# Altium PCB RSD_M1_HELMET_UNIT_POWER_V2.PcbDoc (part 2 of 2)
Units mm, origin at the board's own origin, x right, y up, seen from the top; angles counter-clockwise.
Board outline 79.69 x 55.21 mm, 4 copper layers (Top Layer, GND, PWR, Bottom Layer), stack 1.643 mm thick; 112 components, 159 nets, 336 pads, 183 vias.
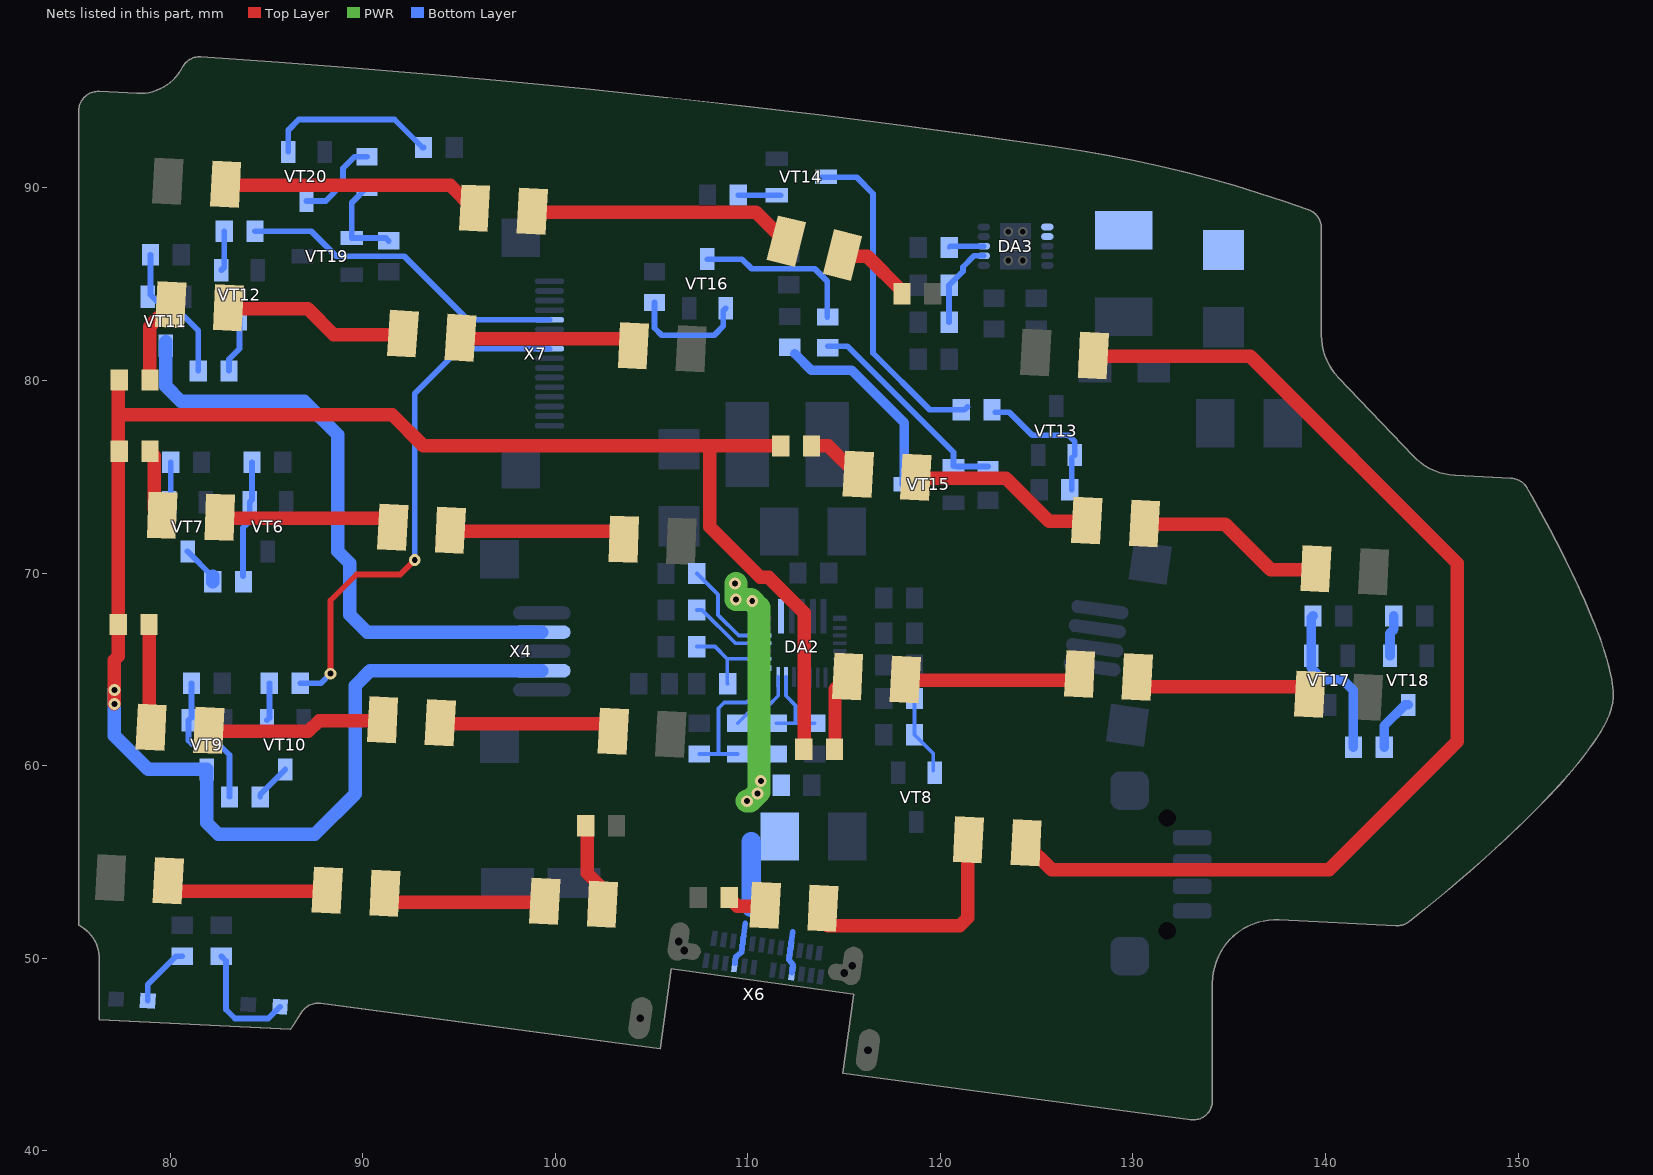
[diagram p4: the nets of this part, all layers, seen from the top]

## Via types
v1: diameter 0.61, hole 0.305, Top Layer to Bottom Layer, tented both sides, 177 vias
v2: diameter 0.61, hole 0.305, Top Layer to Bottom Layer, tented top, 6 vias

## Nets (pads, with @x,y where several pads share a name; then routed paths per layer and width w, separated by ;. In a path a pad name is that pad's centre, name@x,y a point inside that pad or via, vN(x,y) a via of type N, cw(c..) or ccw(c..) an arc to the next point about the centre after c; other vN are vias at no path point) (continued)
NetDA2_18: DA2.18 R16.2 R19.2 | length 4.6
  Bottom Layer w0.2: R16.2@111.475,62.2 112.475,62.2 ; DA2.18@111.975,64.6 111.975,63.625 112.475,63.125 112.475,62.2 ; R19.2@113.475,62.2 112.475,62.2
NetDA2_19: DA2.19 R22.2 | length 3.7
  Bottom Layer w0.2: R22.2@109.475,62.2 110.425,63.15 111.1,63.15 111.575,63.625 DA2.19@111.575,64.6
NetDA2_20: DA2.20 R22.1 R32.2 | length 8.1
  Bottom Layer w0.2: R32.2@107.475,60.6 108.475,60.6 ; R22.1@109.475,60.6 108.475,60.6 ; DA2.20@110.875,65.05 110.875,64.225 109.925,63.275 108.775,63.275 108.475,62.975 108.475,60.6
NetDA2_21: DA2.21 R25.2 R31.2 | length 5.1
  Bottom Layer w0.2: R31.2@107.35,66.175 108.3,66.175 108.925,65.55 ; R25.2@108.95,64.25 108.925,64.275 108.925,65.55 ; DA2.21@110.875,65.55 108.925,65.55
NetDA2_23: DA2.23 R20.2 | length 4.2
  Bottom Layer w0.2: R20.2@107.35,68.075 107.625,68.075 109.35,66.35 DA2.23@110.875,66.35
NetDA2_24: DA2.24 R21.1 | length 5.5
  Bottom Layer w0.2: R21.1@107.35,69.975 108.45,68.875 108.45,67.825 109.525,66.75 DA2.24@110.875,66.75
NetDA3_2: DA3.2 R43.2 R48.1 | length 4.5
  Bottom Layer w0.3: R43.2@120.45,83.025 R48.1@120.45,84.95 121.175,85.675 121.175,85.9 121.75,86.475 DA3.2@122.25,86.475
NetDA3_3: DA3.3 R42.2 | length 1.8
  Bottom Layer w0.2: R42.2@120.45,86.9 R42.2@120.525,86.975
  Bottom Layer w0.3: R42.2@120.525,86.975 DA3.3@122.25,86.975
NetDA3_6: DA3.6 DA3.7 L3.2 VD9.2
NetDD1_7: 
NetDD1_44: 
NetR6_1: 
NetR6_2: 
NetR9_1: 
NetR13_1: R13.1 VT7.3 | length 2.1
  Bottom Layer w0.3: VT7.3@80.9,71.125 R13.1@82.2,69.825
  Bottom Layer w0.7: R13.1@82.2,69.55 R13.1@82.2,69.825
NetR13_2: R13.2 R14.1 VT6.1 | length 6.1
  Bottom Layer w0.3: R13.2@83.775,69.85 83.775,72.35 84.125,72.7 VT6.1@84.125,73.675 84.25,73.8 R14.1@84.25,75.75
NetR15_1: R15.1 VT7.1 | length 2.1
  Bottom Layer w0.3: VT7.1@80.025,73.75 R15.1@80.025,75.75
  Bottom Layer w0.5: VT7.1@79.95,73.675 VT7.1@80.025,73.75
NetR17_1: R17.1 R18.2 VT8.2 | length 4.1
  Bottom Layer w0.2: R17.1@118.65,63.475 R18.2@118.65,61.6 119.625,60.625 VT8.2@119.625,59.75
NetR23_1: R23.1 VT10.3 | length 2
  Bottom Layer w0.3: R23.1@84.675,58.375 84.675,58.5 VT10.3@85.975,59.8
NetR23_2: R23.2 R24.1 VT9.1 | length 7.6
  Bottom Layer w0.3: R24.1@81.1,64.275 81.1,62.5 VT9.1@80.95,62.35 80.95,61.3 81.125,61.125 82.5,61.125 83.075,60.55 R23.2@83.075,58.375
NetR26_1: 
NetR27_1: 
NetR28_1: R28.1 VD7.2 | length 3.2
  Bottom Layer w0.3: VD7.2@78.835,47.784 78.835,48.635 80.3,50.1 R28.1@80.625,50.1
NetR29_1: R29.1 VD8.2 | length 6.1
  Bottom Layer w0.3: R29.1@82.65,50.1 82.901,49.849 82.901,47.324 83.363,46.862 85.087,46.862 VD8.2@85.7,47.475
NetR30_1: R30.1 VT10.1 | length 2
  Bottom Layer w0.3: VT10.1@85.025,62.35 85.15,62.475 R30.1@85.15,64.275
NetR33_1: R33.1 VT12.3 | length 2.9
  Bottom Layer w0.3: R33.1@83.05,80.5 83.05,81.1 83.6,81.65 VT12.3@83.6,83.175
NetR33_2: R33.2 R34.1 VT11.1 | length 7.4
  Bottom Layer w0.3: R34.1@78.975,86.525 78.975,84.45 80.125,83.3 80.75,83.3 81.45,82.6 R33.2@81.45,80.5
NetR35_1: R35.1 VT12.1 | length 2.1
  Bottom Layer w0.3: VT12.1@82.65,85.725 82.8,85.875 R35.1@82.8,87.75
NetR36_1: R36.1 VT14.3 | length 17.5
  Bottom Layer w0.3: VT14.3@113.85,90.55 115.65,90.55 116.5,89.7 116.5,81.425 119.45,78.475 R36.1@121.075,78.475 121.25,78.475 R36.1@121.4,78.625
NetR36_2: R36.2 R37.1 VT13.1 | length 7.3
  Bottom Layer w0.2: VT13.1@126.825,75.975 VT13.1@126.975,76.125
  Bottom Layer w0.3: R36.2@122.85,78.35 123.575,78.35 124.775,77.15 126.65,77.15 126.975,76.825 VT13.1@126.975,76.125 ; R37.1@126.825,74.325 VT13.1@126.825,75.975
NetR38_1: R38.1 R39.2 VT15.1 | length 11.2
  Bottom Layer w0.3: R39.2@114.15,81.775 115.175,81.775 120.675,76.275 VT15.1@120.675,75.55 ; VT15.1@120.85,75.525 R38.1@122.475,75.525
NetR39_1: R39.1 VT16.3 | length 8.6
  Bottom Layer w0.3: VT16.3@107.9,86.3 109.7,86.3 110.2,85.8 113.475,85.8 114.125,85.15 R39.1@114.125,83.3
NetR40_1: R40.1 VT14.1 | length 2.2
  Bottom Layer w0.3: R40.1@109.5,89.625 VT14.1@111.7,89.625
NetR41_1: R41.1 VT16.1 | length 6.2
  Bottom Layer w0.3: R41.1@105.15,84.05 105.15,82.725 105.525,82.35 108.25,82.35 108.725,82.825 108.725,83.625 VT16.1@108.85,83.75
NetR44_1: R44.1 VT18.3 | length 2.8
  Bottom Layer w0.5: R44.1@143.05,60.95 143.05,62.075 144.125,63.15 VT18.3@144.3,63.15
NetR44_2: R44.2 R45.1 VT17.1 | length 8.4
  Bottom Layer w0.5: R45.1@139.35,67.775 139.25,67.675 VT17.1@139.25,65.7 139.25,65.075 139.875,64.45 140.9,64.45 141.45,63.9 R44.2@141.45,60.95
NetR46_2: R46.2 VT15.3 | length 10.4
  Bottom Layer w0.5: R46.2@112.437,81.387 113.3,80.525 115.4,80.525 118.125,77.8 VT15.3@118.125,74.6
NetR47_1: R47.1 VT18.1 | length 2.2
  Bottom Layer w0.5: VT18.1@143.35,65.7 143.35,66.875 143.55,67.075 R47.1@143.55,67.775
NetR51_1: 
NetR52_1: 
NetR53_1: 
NetR54_1: 
NetR55_1: 
NetR56_1: 
NetR57_1: 
NetR58_1: 
NetR59_1: R59.1 VD34.2 | length 4.3
  Top Layer w0.7: R59.1@101.65,56.775 101.65,54.4 102.423,53.627 VD34.2@102.423,52.746
NetR60_1: R60.1 VD37.2 | length 2.1
  Top Layer w0.7: R60.1@109,53.15 109.446,52.704 VD37.2@110.877,52.704
NetR61_1: R61.1 VD40.2 | length 3.9
  Top Layer w0.7: VD40.2@114.88,86.462 116.188,86.462 R61.1@118.05,84.6
NetR62_1: R62.1 VD43.2 | length 4
  Top Layer w0.7: R62.1@114.525,60.875 114.525,63.951 VD43.2@115.152,64.579
NetR63_1: R63.1 VD46.2 | length 3
  Top Layer w0.7: R63.1@113.35,76.6 114.181,76.6 VD46.2@115.702,75.079
NetR64_1: R64.1 VD49.2 | length 5.6
  Top Layer w0.7: R64.1@78.9,67.475 R64.1@78.9,67.325 78.9,62.011 VD49.2@78.979,61.932
NetR65_1: R65.1 VD52.2 | length 3.7
  Top Layer w0.7: R65.1@78.925,76.35 79.175,76.1 79.175,73.328 VD52.2@79.551,72.952
NetR66_1: R66.1 VD55.2 | length 4.3
  Top Layer w0.7: R66.1@78.925,80.025 78.925,82.802 VD55.2@80.002,83.879
NetR67_1: R67.1 VT20.3 | length 4.6
  Bottom Layer w0.3: VT20.3@87.075,89.325 88.075,89.325 88.975,90.225 88.975,91.025 89.575,91.625 R67.1@90.225,91.625
NetR67_2: R67.2 R68.1 VT19.1 | length 4.9
  Bottom Layer w0.3: R67.2@90.225,90.025 89.425,89.225 VT19.1@89.425,87.4 91.2,87.4 R68.1@91.35,87.25
NetR69_1: R69.1 VT20.1 | length 9
  Bottom Layer w0.3: VT20.1@86.125,91.875 86.125,93 86.675,93.55 91.65,93.55 93.1,92.1 R69.1@93.15,92.1
NetVD10_1: 
NetVD11_1: 
NetVD13_1: 
NetVD14_1: 
NetVD16_1: 
NetVD17_1: 
NetVD19_1: 
NetVD20_1: 
NetVD22_1: 
NetVD23_1: 
NetVD25_1: 
NetVD26_1: 
NetVD28_1: 
NetVD29_1: 
NetVD31_1: 
NetVD32_1: 
NetVD34_1: VD34.1 VD35.2 | length 8.5
  Top Layer w0.7: VD35.2@91.123,53.321 91.541,52.904 VD34.1@99.427,52.904
NetVD35_1: VD35.1 VD36.2 | length 8.5
  Top Layer w0.7: VD36.2@79.871,53.968 80.36,53.479 VD35.1@88.127,53.479
NetVD37_1: VD37.1 VD38.2 | length 12.4
  Top Layer w0.7: VD37.1@113.873,52.546 113.873,51.952 114.15,51.675 121,51.675 121.427,52.102 VD38.2@121.427,56.104
NetVD38_1: VD38.1 VD39.2 | length 58.4
  Top Layer w0.7: VD38.1@124.423,55.946 125.769,54.6 140.2,54.6 146.85,61.25 146.85,70.5 136.103,81.247 VD39.2@127.923,81.247
NetVD40_1: VD40.1 VD41.2 | length 13.8
  Top Layer w0.7: VD41.2@98.773,88.746 110.411,88.746 VD40.1@111.97,87.188
NetVD41_1: VD41.1 VD42.2 | length 13.4
  Top Layer w0.7: VD42.2@82.846,90.143 94.538,90.143 VD41.1@95.777,88.904
NetVD43_1: VD43.1 VD44.2 | length 9.2
  Top Layer w0.7: VD43.1@118.148,64.421 126.92,64.421 VD44.2@127.202,64.704
NetVD44_1: VD44.1 VD45.2 | length 9.3
  Top Layer w0.7: VD44.1@130.198,64.546 130.644,64.1 138.706,64.1 VD45.2@139.152,63.654
NetVD46_1: VD46.1 VD47.2 | length 9.8
  Top Layer w0.7: VD46.1@118.698,74.921 123.404,74.921 125.646,72.679 VD47.2@127.577,72.679
NetVD47_1: VD47.1 VD48.2 | length 9.9
  Top Layer w0.7: VD47.1@130.573,72.521 134.804,72.521 137.146,70.179 VD48.2@139.477,70.179
NetVD49_1: VD49.1 VD50.2 | length 9.3
  Top Layer w0.7: VD49.1@81.975,61.775 87.175,61.775 87.732,62.332 VD50.2@91.004,62.332
NetVD50_1: VD50.1 VD51.2 | length 9.2
  Top Layer w0.7: VD50.1@94,62.175 102.531,62.175 VD51.2@102.977,61.729
NetVD52_1: VD52.1 VD53.2 | length 9.2
  Top Layer w0.7: VD52.1@82.549,72.848 91.013,72.848 VD53.2@91.529,72.332
NetVD53_1: VD53.1 VD54.2 | length 9.2
  Top Layer w0.7: VD53.1@94.525,72.175 103.053,72.175 VD54.2@103.526,71.702
NetVD55_1: VD55.1 VD56.2 | length 9.6
  Top Layer w0.7: VD55.1@82.998,83.721 87.154,83.721 88.495,82.38 VD56.2@92.054,82.38
NetVD56_1: VD56.1 VD57.2 | length 9.2
  Top Layer w0.7: VD56.1@95.046,82.17 103.616,82.17 VD57.2@104.029,81.757
ON_BTN: 
ON_BTN_PIN: 
PHOTODIOD: 
RGB_LED_BLUE: 
RGB_LED_GREEN: 
RGB_LED_RED: 
RIGHT: 
RIGHT: VT11.3 X4.4 | length 32.2
  Bottom Layer w0.7: VT11.3@79.775,82 VT11.3@79.775,81.8 79.775,79.7 80.55,78.925 86.95,78.925 88.7,77.175 88.7,71.125 89.325,70.5 89.325,67.825 90.225,66.925 X4.4@99.3,66.925
RIGHT-MCU: 
RIGHT_MCU: R35.2 X7.12 | length 17.2
  Bottom Layer w0.3: R35.2@84.4,87.75 87.325,87.75 88.625,86.45 92.15,86.45 95.45,83.15 X7.12@99.7,83.15
SCK: 
STOP: R62.2 R63.2 R64.2 R65.2 R66.2 VT9.3 X4.2 | length 105.2
  Top Layer w0.3: R63.2@111.675,76.6 R63.2@111.725,76.55
  Top Layer w0.7: v1(77.1,63.2) v1(77.1,63.925) 77.1,65.475 77.3,65.675 R64.2@77.3,67.325 77.3,78.225 ; R66.2@77.325,80.025 77.3,80 77.3,78.225 ; R63.2@111.675,76.6 108.025,76.6 ; R62.2@112.925,60.875 112.925,67.925 111.075,69.775 110.65,69.775 108.025,72.4 108.025,76.6 ; 77.3,78.225 91.525,78.225 93.15,76.6 108.025,76.6
  Bottom Layer w0.7: v1(77.1,63.925) v1(77.1,63.2) 77.1,61.55 78.85,59.8 VT9.3@81.9,59.8 81.9,57.025 82.5,56.425 87.5,56.425 89.6,58.525 89.6,64.15 90.375,64.925 X4.2@99.3,64.925
STOP-MCU: 
STOP_MCU: R30.2 X7.9 | length 27.4
  Top Layer w0.3: v1(88.325,64.775) 88.325,68.575 89.675,69.925 91.95,69.925 v1(92.7,70.675)
  Bottom Layer w0.3: R30.2@86.75,64.275 87.825,64.275 v1(88.325,64.775) ; v1(92.7,70.675) 92.7,79.325 95.025,81.65 X7.9@99.7,81.65
SWCLK: 
SWDIO: 
USB_POWER: C16.1 C17.2 DA2.1 R16.1 X6.A4 X6.A9 X6.B4 X6.B9 | length 20.5
  PWR w1.2: v1@109.375,69.45 v1(109.375,68.625) 110.15,68.625 v1(110.225,68.55) 110.575,68.2 110.575,58.625 v1(110.5,58.55) 110.1,58.15 v1(109.95,58.15)
  Bottom Layer w0.2: X6.A4@112.15,50.404 X6.A4@112.207,50.461
  Bottom Layer w0.3: X6.B4@109.325,49.75 109.368,50.073 109.663,50.299 X6.A9@109.732,50.809 109.863,51.798 ; X6.B9@112.288,49.238 112.343,49.648 112.135,49.92 X6.A4@112.207,50.461 112.329,51.371
  Bottom Layer w1: 110.175,52.625 110.175,56.05
  other v1: 110.675,59.2 109.325,69.45
pads on no net: DA2.7 DA2.25 DA2.26 DA3.0 DA3.11 X6.A2 X6.A3 X6.A5 X6.A6 X6.A7 X6.A8 X6.A10 X6.A11 X6.B2 X6.B3 X6.B5 X6.B6 X6.B7 X6.B8 X6.B10 X6.B11 X10.2 X10.5

## Polygon pours and split planes (outlines as drawn)
GND on Bottom Layer "Top Layer, Top-No Net" (solid, pour order 21): 86.232,46.287 86.821,47.196 cw(c87.66,46.652) 87.793,47.643 105.412,45.287 105.823,48.292 cw(c106.814,48.156) 106.949,49.147 114.38,48.131 cw(c114.244,47.14) 115.235,47.005 114.828,44.028 132.984,41.6 ccw(c133.116,42.591) 134.116,42.591 134.116,48.689 cw(c137.416,48.689) 137.587,51.985 143.645,51.672 ccw(c143.696,52.67) 144.317,51.886 144.866,52.321 145.441,52.78 146.009,53.244 146.571,53.713 147.129,54.189 147.684,54.672 148.264,55.188 148.841,55.712 149.412,56.244 149.705,56.52 149.995,56.799 150.266,57.061 150.535,57.326 150.992,57.783 151.44,58.244 151.662,58.477 151.881,58.712 152.095,58.944 152.306,59.178 152.633,59.55 152.793,59.736 152.95,59.923 153.104,60.111 153.255,60.299 153.402,60.486 153.544,60.673 153.766,60.975 153.872,61.126 153.974,61.275 154.07,61.42 154.161,61.563 154.299,61.788 154.423,62.007 154.534,62.217 154.63,62.418 154.712,62.609 154.775,62.774 154.825,62.931 154.864,63.082 154.894,63.229 154.909,63.337 154.92,63.447 154.926,63.56 154.928,63.677 154.923,63.859 154.907,64.053 154.882,64.262 154.85,64.472 154.808,64.692 154.758,64.923 154.699,65.162 154.654,65.331 154.606,65.502 154.552,65.687 154.494,65.874 154.372,66.243 154.246,66.6 154.112,66.96 153.97,67.324 153.822,67.689 153.639,68.124 153.448,68.562 153.251,69 153.108,69.313 152.961,69.626 152.796,69.972 152.628,70.319 152.302,70.977 151.968,71.633 151.627,72.284 151.322,72.855 151.011,73.422 150.695,73.986 150.452,74.414 ccw(c149.584,73.916) 149.636,74.915 146.712,75.066 cw(c146.877,78.262) 144.561,76.054 140.652,80.156 cw(c142.968,82.363) 139.768,82.363 139.768,87.92 ccw(c138.768,87.92) 139.106,88.861 ccw(c116.25,25.258) 125.958,92.142 125.958,92.141 ccw(c44.044,-473.983) 81.575,96.804 ccw(c81.509,95.806) 80.619,96.261 cw(c78.393,97.399) 78.263,94.903 76.288,95.005 ccw(c76.237,94.006) 75.237,94.006 75.237,51.704 cw(c74.311,49.931) 76.311,49.931 76.311,46.8
GND on Bottom Layer "Top Layer, Top-No Net" (solid, pour order 25): 113.775,71.1 114.05,71.375 114.05,72.7 115.775,72.7 115.875,72.6 115.875,71.4 114.975,70.5 114.675,70.2 114.675,69.2 114,68.525 113.775,68.525
NetC13_2 on Bottom Layer "Top Layer, Top-No Net" (solid, pour order 27): 113.525,71.3 113.75,71.525 113.75,73.4 114.825,74.475 115.25,74.475 115.25,78.875 113,78.875 113,74.475 113,71.525 113.225,71.3 113.225,68.525 113.525,68.525
BAT on Bottom Layer "Top Layer, Top-No Net" (solid, pour order 29): 112.975,68.45 112.975,69.375 113.05,69.45 113.05,71 112.7,71.35 112.7,73.3 112.375,73.625 110.625,73.625 110,73 110,71.125 110.625,70.5 111.825,70.5 112.15,70.175 112.15,69.45 112.675,68.925 112.675,68.45
NetDA2_2 on Bottom Layer "Top Layer, Top-No Net" (solid, pour order 31): 112.425,68.568 112.425,68.875 111.85,69.45 111,70.3 110.55,70.3 109.75,71.1 109.75,73.825 110.425,74.5 110.425,78.3 109.15,78.3 108.875,78.025 108.875,70.975 110.8,69.05 111.675,69.05 112.157,68.568
USB_POWER on Bottom Layer "Top Layer, Top-No Net" (solid, pour order 33): 111.875,68.65 111.875,68.1 109.3,68.1 108.75,68.65 108.75,69.625 109.05,69.925 109.575,69.925 110.75,68.75 111.7,68.75
USB_POWER on Bottom Layer "Top Layer, Top-No Net" (solid, pour order 35): 110.1,68.15 110.25,68 110.275,68.025 110.275,68.175
USB_POWER on Bottom Layer "Top Layer, Top-No Net" (solid, pour order 37): 112.025,61.05 112.025,59.875 112.175,59.725 112.175,57.425 111.55,56.8 111.55,55.1 109.55,55.1 109.55,58.398 110.925,60.053 110.925,61.05
USB_POWER on Bottom Layer "Top Layer, Top-No Net" (solid, pour order 39): 112.428,51.02 112.494,51.481 111.8,52.175 111.5,52.175 111.175,52.5 110.425,53.25 109.725,52.55 109.725,51.575 109.95,51.35 110.3,51.7 111.525,51.7 112.16,51.065
GND on Bottom Layer "Top Layer, Top-No Net" (solid, pour order 41): 114.125,66.5 111.5,66.5 111.5,65.375 114.125,65.375
NetC23_1 on Bottom Layer "Top Layer, Top-No Net" (solid, pour order 47): 128.875,80.45 128.875,81.3 129.875,82.3 131.025,82.3 131.025,85.875 130.725,86.175 127.45,86.175 126.475,87.15 125.2,87.15 125.125,87.075 125.125,86.4 125.225,86.3 126.15,86.3 127.175,85.275 127.175,80.45
NetDA3_6 on Bottom Layer "Top Layer, Top-No Net" (solid, pour order 51): 136.65,84.795 136.28,84.425 133.75,84.425 133.1,83.775 133.1,83.025 132.95,82.875 131.725,82.875 131.5,83.1 131.5,86.325 131.125,86.7 127.425,86.7 126.825,87.3 125.2,87.3 125.125,87.375 125.125,88.1 125.125,88.6 125,88.725 122,88.725 121.5,89.225 121.5,90.675 122.225,91.4 125.575,91.05 127.913,90.713 135.725,88.4 136.65,87.343
BAT on PWR "Top Layer, Top-No Net" (solid, pour order 57): 111.825,70.7 112.25,71.125 112.25,72.9 111.926,73.224 110.599,73.224 110.2,72.825 110.2,70.95 110.45,70.7
12V on PWR "Top Layer, Top-No Net" (solid, pour order 59): 86.246,46.294 86.835,47.202 cw(c87.674,46.658) 87.807,47.65 105.426,45.293 105.837,48.298 cw(c106.828,48.162) 106.963,49.153 114.394,48.137 cw(c114.259,47.146) 115.25,47.011 114.843,44.034 132.998,41.606 ccw(c133.131,42.597) 134.131,42.597 134.131,48.696 cw(c137.431,48.696) 137.601,51.991 143.659,51.678 ccw(c143.711,52.676) 144.331,51.892 144.881,52.327 145.455,52.786 146.023,53.25 146.586,53.72 147.144,54.196 147.698,54.678 148.279,55.195 148.855,55.718 149.427,56.25 149.719,56.526 150.01,56.805 150.281,57.068 150.549,57.332 151.006,57.789 151.454,58.25 151.676,58.484 151.896,58.718 152.109,58.95 152.32,59.184 152.647,59.556 152.807,59.742 152.964,59.93 153.118,60.117 153.269,60.305 153.416,60.492 153.559,60.679 153.78,60.982 153.886,61.132 153.988,61.281 154.084,61.426 154.176,61.569 154.313,61.794 154.438,62.013 154.548,62.223 154.645,62.424 154.727,62.615 154.789,62.78 154.839,62.937 154.879,63.088 154.908,63.235 154.924,63.343 154.934,63.453 154.941,63.566 154.942,63.684 154.937,63.865 154.922,64.06 154.897,64.268 154.864,64.478 154.822,64.699 154.772,64.929 154.713,65.168 154.669,65.337 154.621,65.508 154.566,65.693 154.508,65.88 154.386,66.249 154.26,66.606 154.126,66.966 153.984,67.33 153.836,67.696 153.653,68.131 153.463,68.568 153.266,69.006 153.122,69.319 152.976,69.632 152.81,69.979 152.642,70.325 152.316,70.984 151.982,71.639 151.642,72.29 151.336,72.861 151.025,73.429 150.71,73.993 150.466,74.421 ccw(c149.599,73.923) 149.65,74.921 146.726,75.072 cw(c146.891,78.268) 144.575,76.06 140.666,80.162 cw(c142.982,82.37) 139.782,82.37 139.782,87.926 ccw(c138.782,87.926) 139.12,88.868 139.12,88.867 ccw(c116.264,25.265) 125.973,92.148 125.973,92.147 ccw(c44.058,-473.977) 81.589,96.81 ccw(c81.523,95.812) 80.633,96.268 cw(c78.407,97.405) 78.278,94.909 76.303,95.011 ccw(c76.251,94.012) 75.251,94.012 75.251,51.71 cw(c74.325,49.937) 76.325,49.937 76.325,46.807
GND on GND "Top Layer, Top-No Net" (solid, pour order 61): 86.243,46.283 86.833,47.191 cw(c87.672,46.647) 87.804,47.639 105.423,45.282 105.834,48.287 cw(c106.825,48.151) 106.96,49.142 114.391,48.126 cw(c114.256,47.135) 115.247,47 114.84,44.023 132.995,41.595 ccw(c133.128,42.586) 134.128,42.586 134.128,48.685 cw(c137.428,48.685) 137.598,51.98 143.656,51.667 ccw(c143.708,52.665) 144.328,51.881 144.878,52.316 145.453,52.775 146.02,53.239 146.583,53.709 147.141,54.185 147.696,54.667 148.276,55.184 148.852,55.707 149.424,56.239 149.716,56.515 150.007,56.794 150.278,57.057 150.547,57.321 151.003,57.778 151.452,58.239 151.673,58.473 151.893,58.707 152.107,58.939 152.317,59.173 152.644,59.545 152.804,59.731 152.961,59.919 153.115,60.106 153.266,60.294 153.413,60.481 153.556,60.668 153.777,60.971 153.883,61.121 153.985,61.27 154.081,61.415 154.173,61.558 154.31,61.783 154.435,62.002 154.545,62.212 154.642,62.413 154.724,62.604 154.786,62.769 154.836,62.926 154.876,63.077 154.905,63.224 154.921,63.332 154.932,63.442 154.938,63.555 154.939,63.673 154.934,63.854 154.919,64.049 154.894,64.257 154.861,64.467 154.819,64.688 154.769,64.918 154.711,65.157 154.666,65.326 154.618,65.497 154.563,65.682 154.505,65.869 154.383,66.238 154.257,66.595 154.123,66.955 153.982,67.319 153.833,67.685 153.65,68.12 153.46,68.557 153.263,68.995 153.119,69.308 152.973,69.621 152.807,69.968 152.639,70.314 152.313,70.973 151.979,71.628 151.639,72.279 151.333,72.85 151.022,73.418 150.707,73.982 150.463,74.41 ccw(c149.596,73.912) 149.648,74.91 146.723,75.061 cw(c146.889,78.257) 144.572,76.049 140.663,80.151 cw(c142.979,82.359) 139.779,82.359 139.779,87.915 ccw(c138.779,87.915) 139.117,88.857 139.117,88.856 ccw(c116.261,25.254) 125.97,92.137 125.97,92.136 ccw(c44.055,-473.988) 81.586,96.8 81.586,96.799 ccw(c81.52,95.801) 80.63,96.257 cw(c78.404,97.394) 78.275,94.898 76.3,95 ccw(c76.248,94.001) 75.248,94.001 75.248,51.699 cw(c74.322,49.926) 76.322,49.926 76.322,46.796
GND on Top Layer "Top Layer, Top-No Net" (solid, pour order 53): 86.244,46.286 86.833,47.195 cw(c87.672,46.651) 87.805,47.642 105.424,45.286 105.835,48.29 cw(c106.825,48.155) 106.961,49.146 114.392,48.13 cw(c114.256,47.139) 115.247,47.004 114.84,44.027 132.996,41.599 ccw(c133.128,42.59) 134.128,42.59 134.128,48.688 cw(c137.428,48.688) 137.599,51.984 143.657,51.67 ccw(c143.708,52.669) 144.328,51.885 144.878,52.32 145.453,52.779 146.021,53.243 146.583,53.712 147.141,54.188 147.696,54.671 148.276,55.187 148.853,55.711 149.424,56.242 149.717,56.519 150.007,56.797 150.278,57.06 150.547,57.325 151.004,57.782 151.452,58.243 151.674,58.476 151.893,58.711 152.107,58.943 152.318,59.177 152.645,59.548 152.804,59.735 152.962,59.922 153.116,60.11 153.266,60.297 153.413,60.485 153.556,60.672 153.778,60.974 153.884,61.125 153.986,61.274 154.082,61.419 154.173,61.561 154.311,61.787 154.435,62.005 154.546,62.216 154.642,62.417 154.724,62.608 154.786,62.773 154.837,62.93 154.876,63.08 154.906,63.228 154.921,63.336 154.932,63.446 154.938,63.559 154.94,63.676 154.934,63.858 154.919,64.052 154.894,64.261 154.861,64.47 154.82,64.691 154.769,64.922 154.711,65.161 154.666,65.33 154.618,65.501 154.563,65.686 154.505,65.873 154.384,66.242 154.258,66.599 154.124,66.959 153.982,67.323 153.834,67.688 153.651,68.123 153.46,68.56 153.263,68.999 153.119,69.312 152.973,69.624 152.808,69.971 152.64,70.318 152.314,70.976 151.98,71.631 151.639,72.283 151.333,72.854 151.023,73.421 150.707,73.985 150.463,74.413 ccw(c149.596,73.915) 149.648,74.914 146.724,75.065 cw(c146.889,78.261) 144.573,76.053 140.663,80.154 cw(c142.98,82.362) 139.78,82.362 139.78,87.919 ccw(c138.78,87.919) 139.117,88.86 ccw(c116.262,25.257) 125.97,92.141 125.97,92.14 ccw(c44.055,-473.984) 81.586,96.803 ccw(c81.521,95.805) 80.63,96.26 cw(c78.404,97.398) 78.275,94.901 76.3,95.004 ccw(c76.249,94.005) 75.249,94.005 75.249,51.703 cw(c74.323,49.93) 76.323,49.93 76.323,46.799

## Keep-outs
Keep-Out Layer:
  lines w0.3: 125.972,92.147 ccw(c44.057,-473.977) 81.588,96.811 ccw(c81.523,95.812) 80.632,96.268 cw(c78.406,97.406) 78.277,94.909 76.302,95.011 ccw(c76.25,94.012) 75.25,94.012 75.25,51.71 cw(c74.324,49.937) 76.324,49.937 76.324,46.807 86.245,46.294 86.835,47.202 cw(c87.674,46.658) 87.806,47.65 105.445,45.291 106.014,49.453 115.494,48.118 114.934,44.022 132.997,41.606 ccw(c133.13,42.597) 134.13,42.597 134.13,48.696 cw(c137.43,48.696) 137.6,51.991 143.658,51.678 ccw(c143.71,52.677) 144.33,51.892 144.88,52.327 145.455,52.786 146.022,53.25 146.585,53.72 147.143,54.196 147.698,54.678 148.278,55.195 148.854,55.718 149.426,56.25 149.718,56.526 150.009,56.805 150.28,57.068 150.549,57.332 151.005,57.789 151.454,58.25 151.676,58.484 151.895,58.718 152.109,58.95 152.319,59.184 152.646,59.556 152.806,59.742 152.963,59.93 153.117,60.117 153.268,60.305 153.415,60.492 153.558,60.679 153.779,60.982 153.885,61.132 153.987,61.281 154.083,61.426 154.175,61.569 154.312,61.794 154.437,62.013 154.548,62.223 154.644,62.424 154.726,62.615 154.788,62.78 154.839,62.937 154.878,63.088 154.907,63.235 154.923,63.343 154.934,63.453 154.94,63.566 154.941,63.684 154.936,63.865 154.921,64.06 154.896,64.268 154.863,64.478 154.822,64.699 154.771,64.929 154.713,65.168 154.668,65.337 154.62,65.508 154.565,65.693 154.507,65.88 154.385,66.249 154.26,66.606 154.125,66.966 153.984,67.33 153.835,67.696 153.652,68.131 153.462,68.568 153.265,69.006 153.121,69.319 152.975,69.632 152.81,69.979 152.642,70.325 152.315,70.984 151.982,71.639 151.641,72.29 151.335,72.861 151.024,73.429 150.709,73.993 150.465,74.421 ccw(c149.598,73.923) 149.65,74.921 146.725,75.072 cw(c146.891,78.268) 144.574,76.06 140.665,80.162 cw(c142.981,82.37) 139.781,82.37 139.781,87.926 ccw(c138.781,87.926) 139.119,88.868 ccw(c116.263,25.265) 125.972,92.148 ; 80.185,92.759 ccw(c80.785,92.759) 80.754,92.159 81.288,92.132 ccw(c81.318,92.731) 81.918,92.731 81.918,93.26 ccw(c81.318,93.26) 81.349,93.859 80.816,93.887 ccw(c80.785,93.288) 80.185,93.288 80.185,92.759 ; 95.085,49.433 ccw(c95.685,49.433) 95.654,48.834 96.187,48.806 ccw(c96.218,49.405) 96.818,49.405 96.818,49.934 ccw(c96.218,49.934) 96.249,50.534 95.716,50.561 ccw(c95.685,49.962) 95.085,49.962 95.085,49.433 ; 117.178,88.997 ccw(c117.778,88.997) 117.747,88.398 118.28,88.37 ccw(c118.311,88.97) 118.911,88.97 118.911,89.499 ccw(c118.311,89.499) 118.342,90.098 117.809,90.125 ccw(c117.778,89.526) 117.178,89.526 117.178,88.997

## Other copper
Bottom Layer:
  rectangle net GND: 121.3,87.475 122.5,88.575

## Silkscreen, mask and mechanical layers (free items; w line width, h text height)
Bottom Overlay:
  pour cut-out: 117.178,88.997 ccw(c117.778,88.997) 117.747,88.398 118.28,88.37 ccw(c118.311,88.97) 118.911,88.97 118.911,89.499 ccw(c118.311,89.499) 118.342,90.098 117.809,90.125 ccw(c117.778,89.526) 117.178,89.526
  text "HELMET PWR" at 149.525,72.025 h2.5
Bottom Solder:
  text "Rev 2.1" at 128.65,45.875 h3
Mechanical 4:
  drawing of 764 lines, arcs and shapes, not listed
Mechanical 9:
  lines w0.3: 95.699,50.534 96.232,50.507 cw(c96.201,49.907) 96.801,49.907 96.801,49.378 cw(c96.201,49.378) 96.17,48.779 95.637,48.807 cw(c95.668,49.406) 95.068,49.406 95.068,49.935 cw(c95.668,49.935) 95.699,50.534 ; 80.168,92.731 ccw(c80.768,92.731) 80.737,92.132 81.27,92.105 ccw(c81.301,92.704) 81.901,92.704 81.901,93.233 ccw(c81.301,93.233) 81.332,93.832 80.799,93.86 ccw(c80.768,93.26) 80.168,93.26 80.168,92.731 ; 117.161,88.97 ccw(c117.761,88.97) 117.73,88.371 118.263,88.343 ccw(c118.294,88.942) 118.894,88.942 118.894,89.471 ccw(c118.294,89.471) 118.325,90.071 117.792,90.098 ccw(c117.761,89.499) 117.161,89.499 117.161,88.97

## Text inside footprints (layer, text, board x,y; h text height)
C15: Bottom Overlay "+" at 111.978,70.372 h1.52 r90
C16: Bottom Overlay "+" at 110.175,56.55 h1 r90
C21: Bottom Overlay "+" at 137.422,79.553 h1.52 r270
C23: Bottom Overlay "+" at 127.025,80.875 h1 r90